# Altium PCB PCB_mcbHallV3.PcbDoc
Units mm, origin at the board's own origin, x right, y up, seen from the top; angles counter-clockwise.
Board outline 185.5 x 134.7 mm, 2 copper layers (Top Layer, Bottom Layer), stack 1.58 mm thick; 217 components, 119 nets, 571 pads, 41 vias.
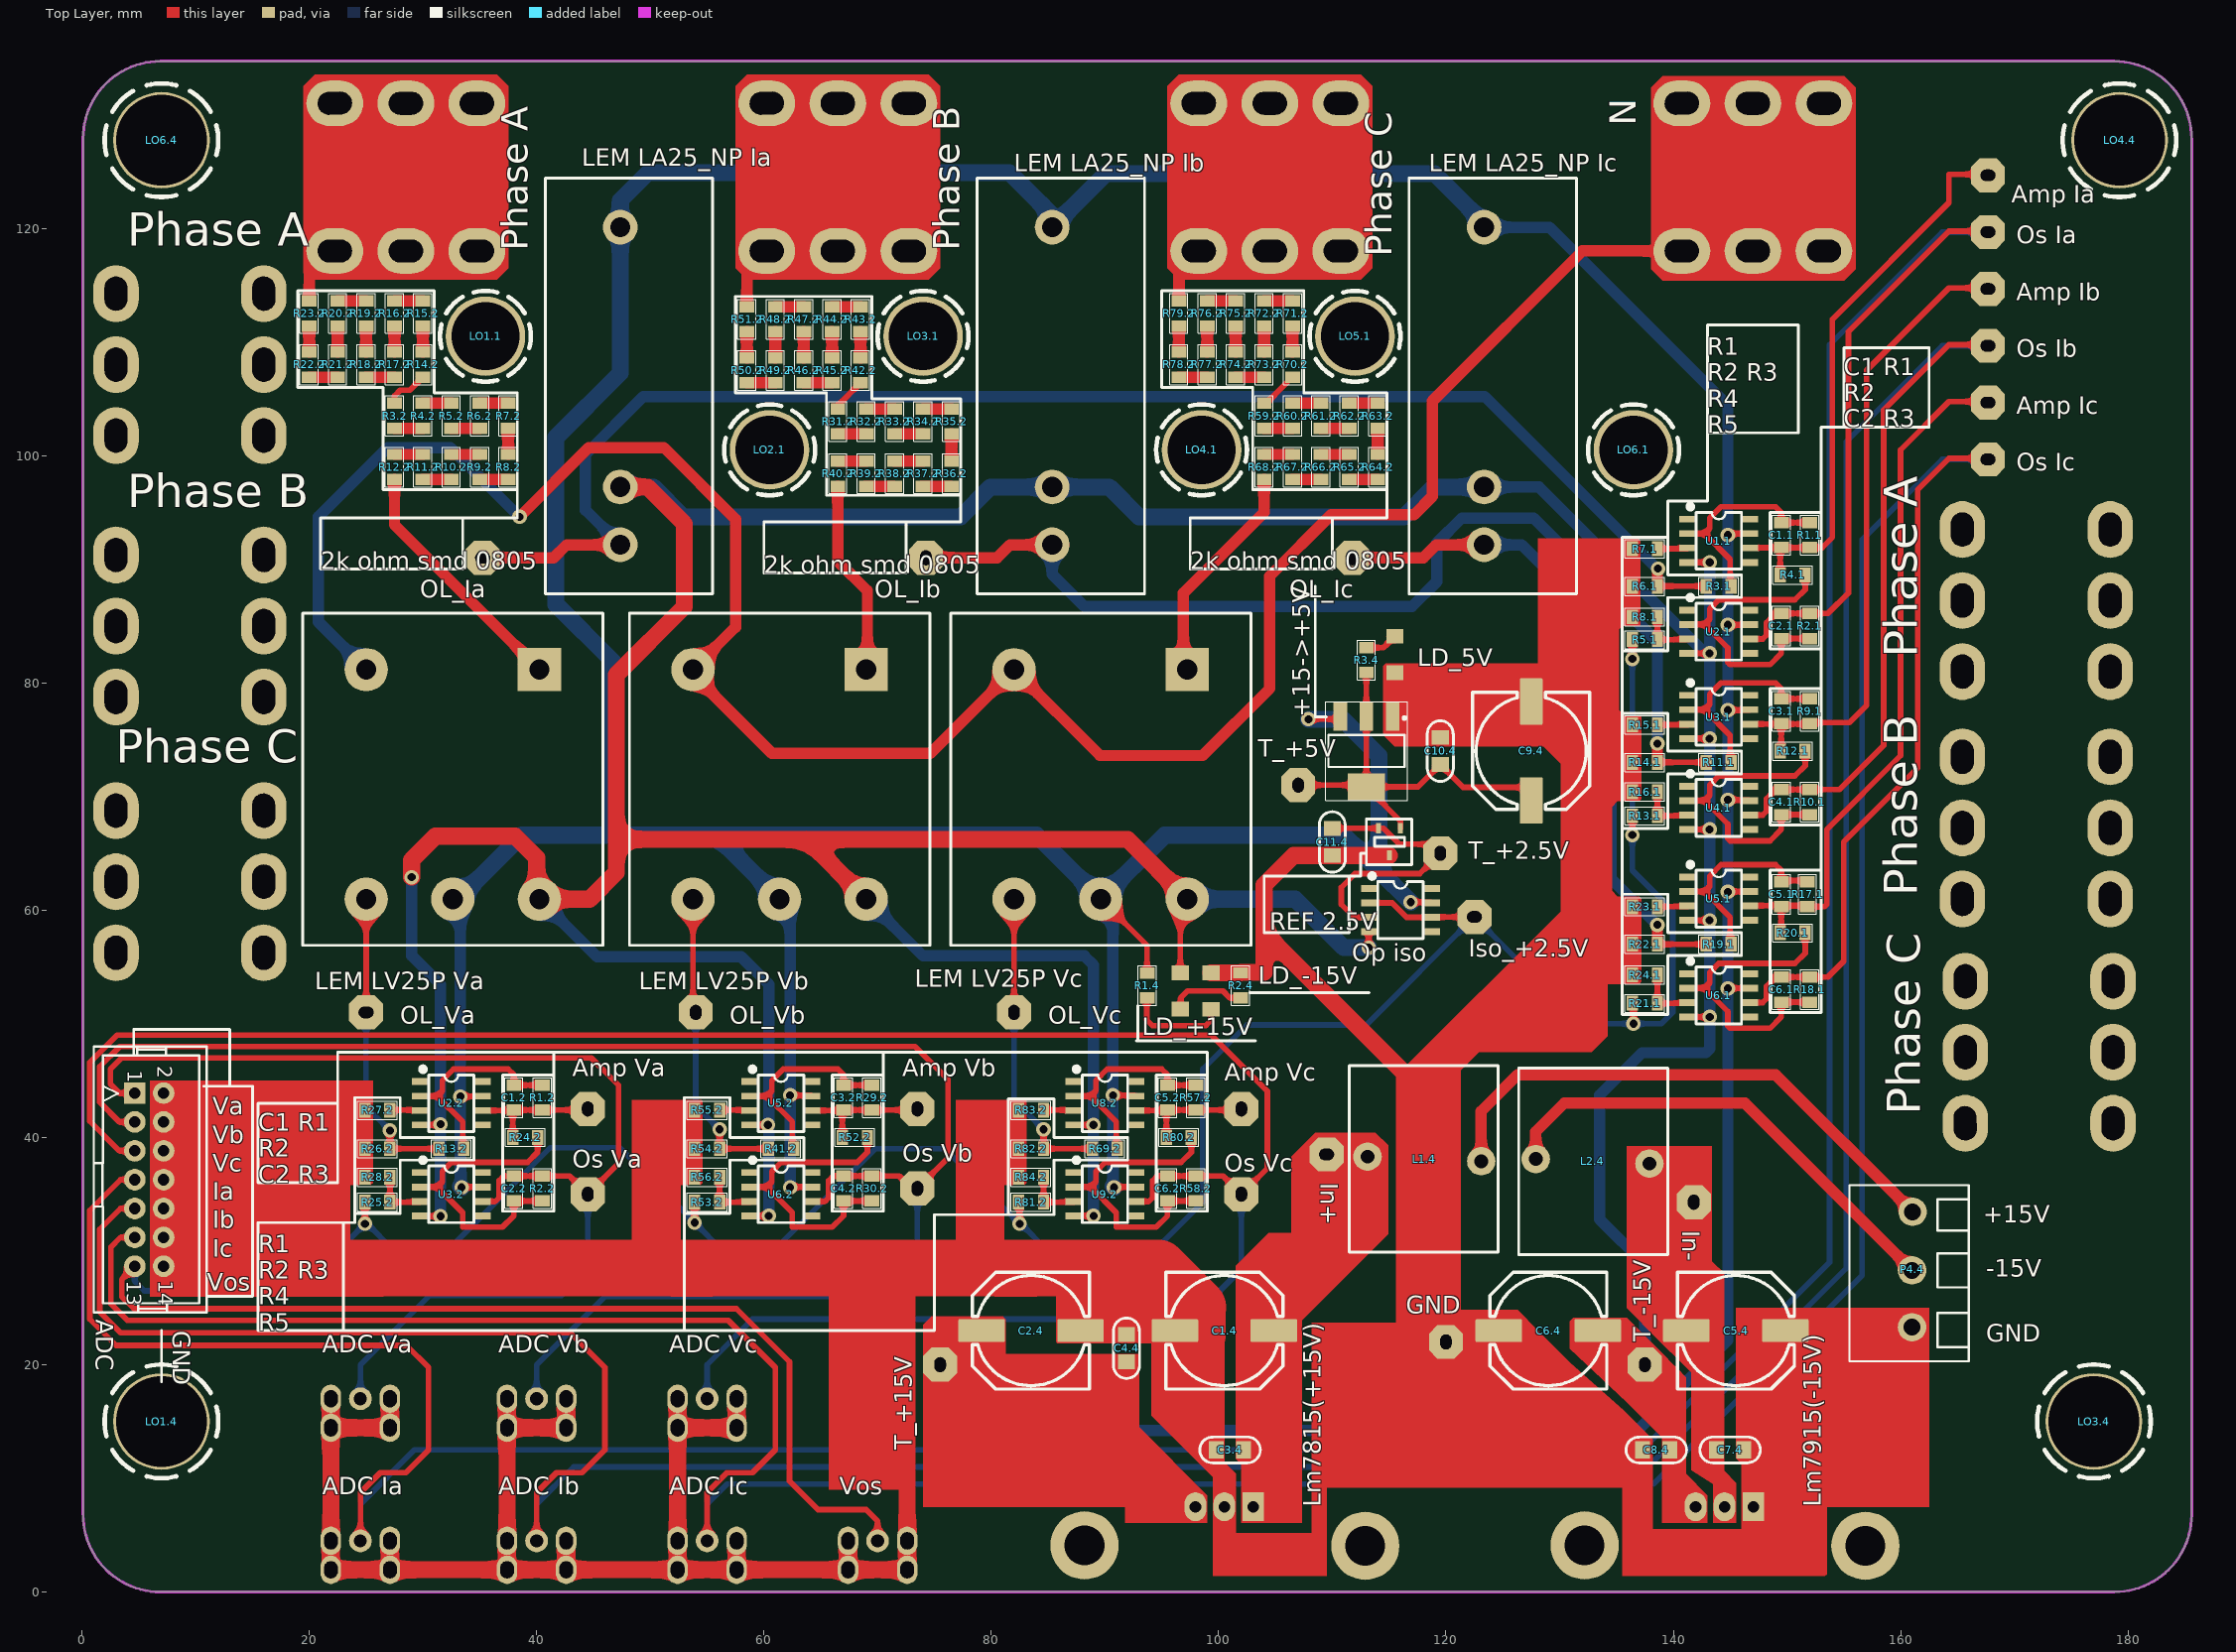
[diagram p0: Top Layer view]
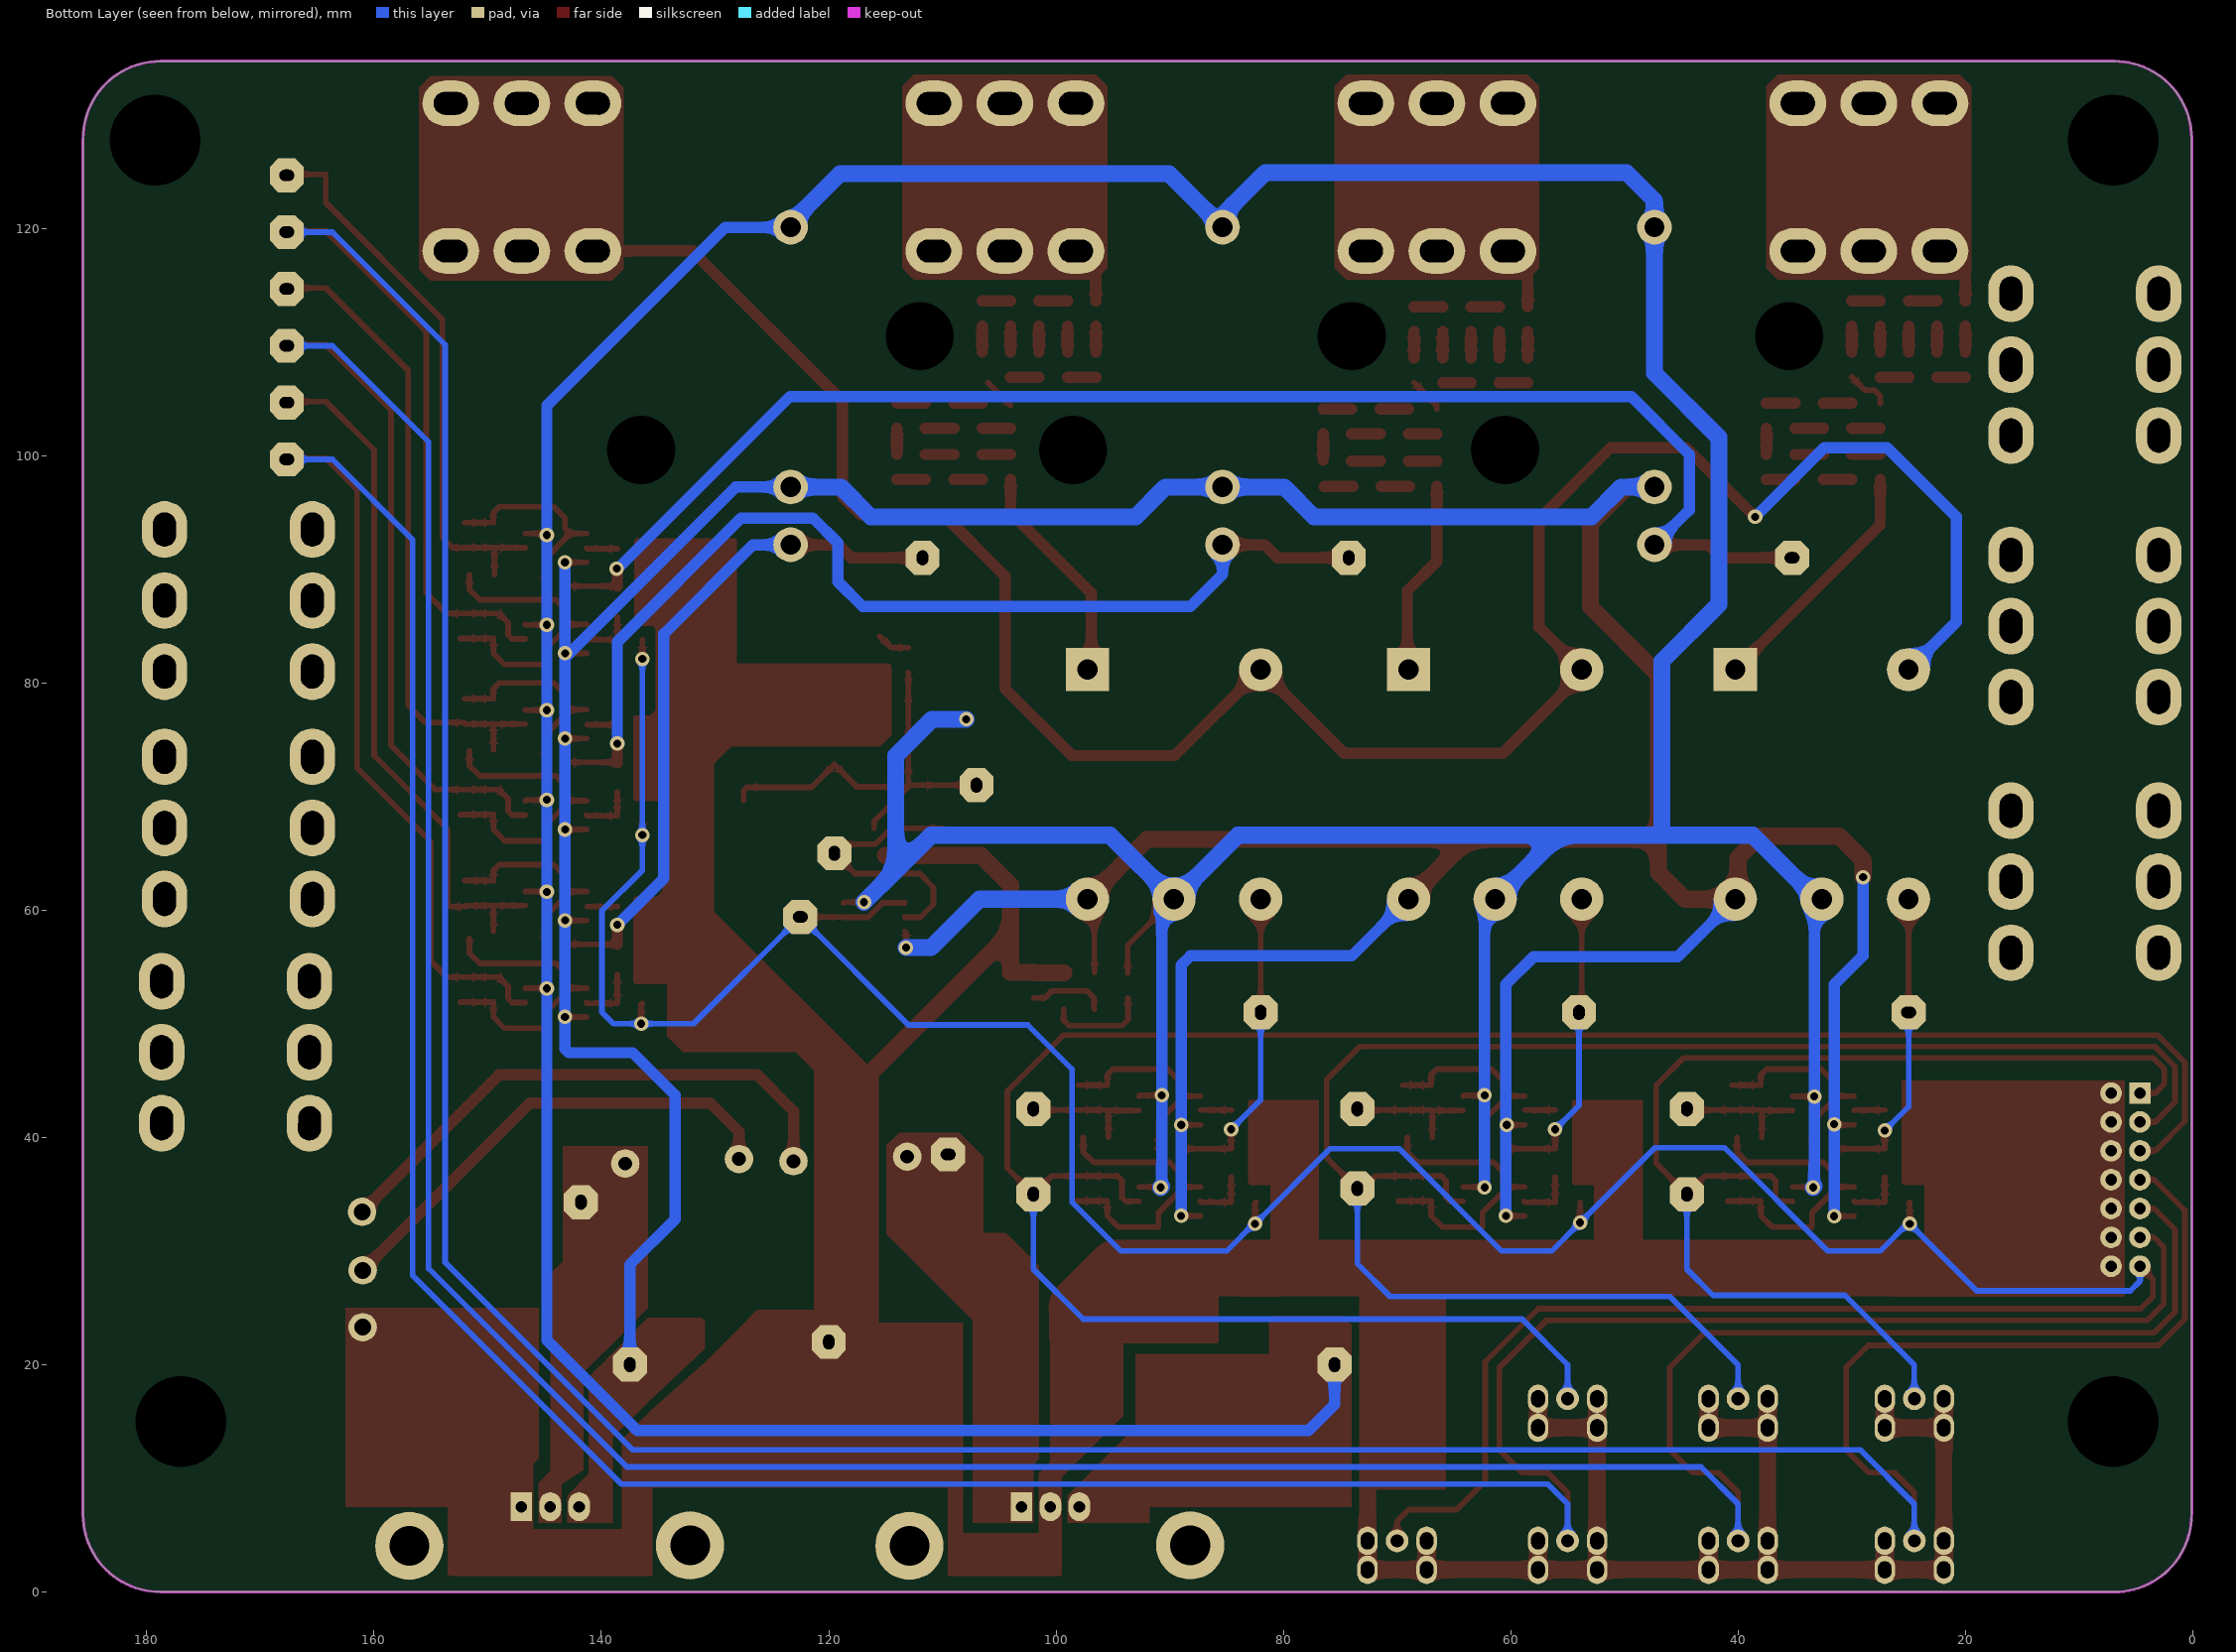
[diagram p1: Bottom Layer view, seen from below]
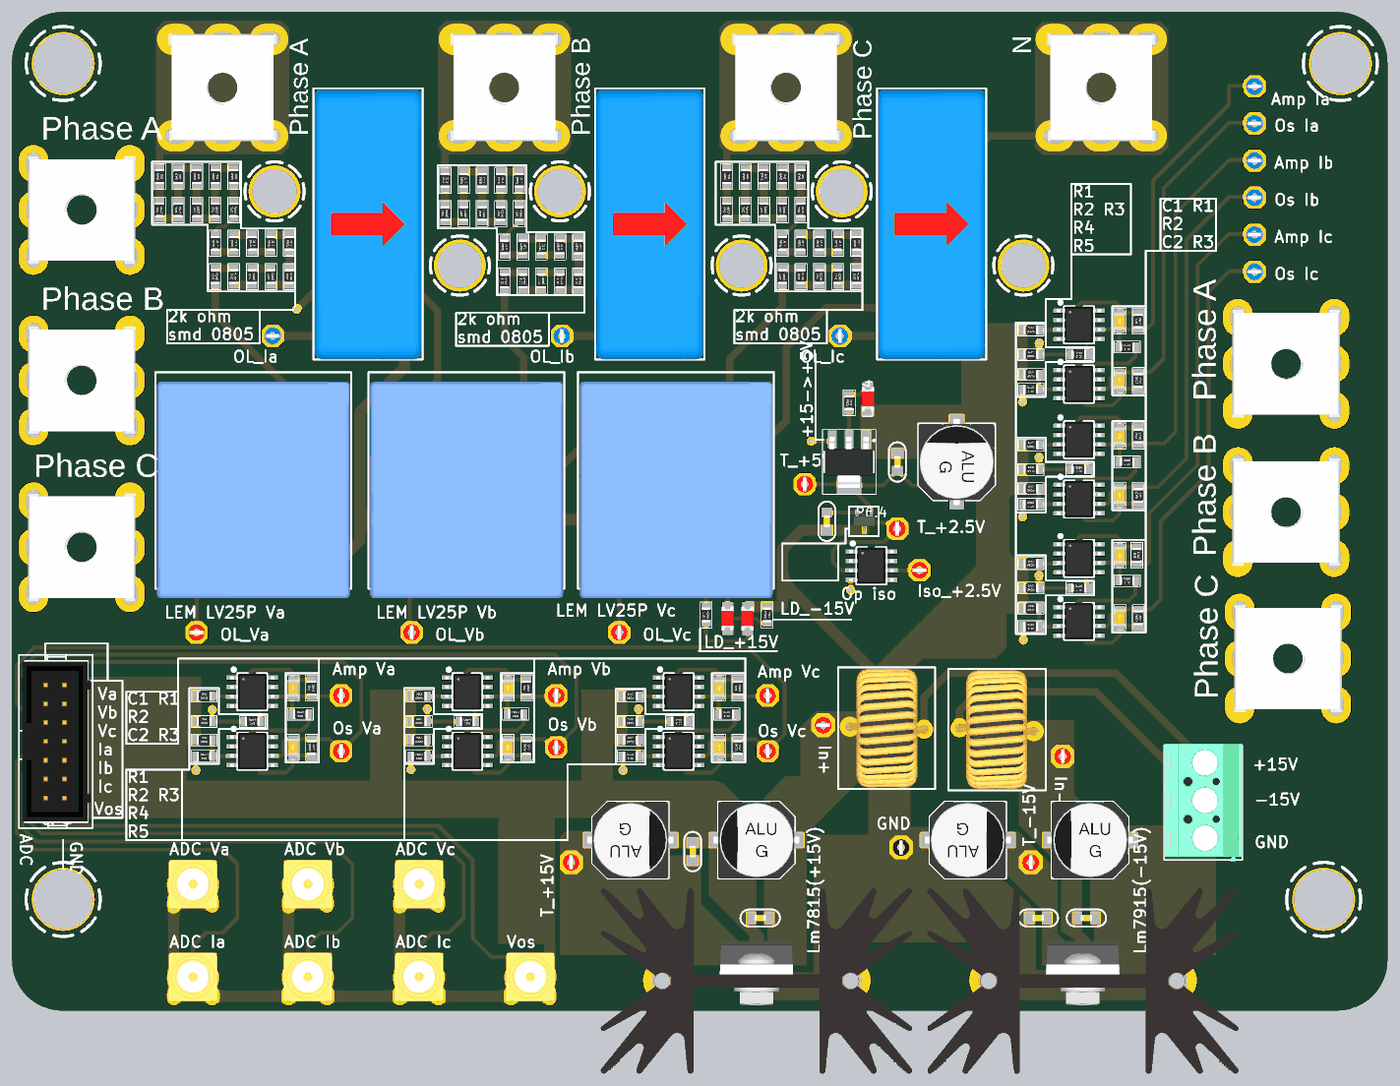
[diagram p2: 3D render of the assembled board from above, using the file's embedded part models]

## Layer stack, top to bottom
Top Solder: solder mask 0.01, Solder Resist, Dk 3.5
Top Layer: signal copper 0.035
Dielectric 1: dielectric 1.51, FR-4, Dk 4.8
Bottom Layer: signal copper 0.035
Bottom Solder: solder mask 0.01, Solder Resist, Dk 3.5

## Board outline
0.1,6.796 0.1,127.904 cw(c6.896,127.904) 6.896,134.7 178.8,134.7 178.8,134.696 cw(c178.8,127.9) 185.596,127.9 185.6,127.9 185.6,6.8 cw(c178.804,6.8) 178.804,0.004 178.804,0 6.9,0 cw(c6.9,6.796)

## Design rules (kind name [scope] priority, off if disabled: settings)
Clearance [All] p1: gap=0.2
PolygonConnect [All] p1: connectstyle=Relief reliefconductorwidth=0.254 reliefentries=4 polygonreliefangle="90 Angle" airgapwidth=0.254
RoutingVias [All] p1: holewidth=0.711 width=1.27 viastyle="Through Hole" minholewidth=0.711 minwidth=1.27 maxholewidth=0.711 maxwidth=1.27
SolderMaskExpansion [All] p1: expansion=0.102
Width [All] p1: maxlimit=5 minlimit=0.2 preferedwidth=0.5
30 further rules are at their usual default settings.

## Classes and differential pairs
component class SCH_power: +15->+5V C1.4 C2.4 C3.4 C4.4 C5.4 C6.4 C7.4 C8.4 C9.4 C10.4 C11.4 GND In+ In- Iso_+2.5V L1.4 L2.4 LD_5V LD_+15v LD_-15V Lm7815(+15V) Lm7915(-15V) LO1.4 LO3.4 LO4.4 LO6.4 "Op iso" P4.4 R1.4 R2.4 R3.4 "REF 2.5V" T_+2.5V T_+5V T_+15V T_-15V "VAC 220V"
component class SCH_Output: ADC "ADC Ia" "ADC IB" "ADC Ib" "ADC Ic" "ADC out" "ADC Va" "ADC Vb" "ADC Vc" Vos
component class SCH_HallVoltageLV25np: "Amp Va" "Amp Vb" "Amp Vc" C1.2 C2.2 C3.2 C4.2 C5.2 C6.2 "LEM LV25P Va" "LEM LV25P Vb" "LEM LV25P Vc" N OL_Va OL_Vb OL_Vc "Os VA" "Os Va" "Os Vb" "Os Vc" "PHASE A" "Phase B" "Phase C" R1.2 R2.2 R3.2 R4.2 R5.2 R6.2 R7.2 R8.2 R9.2 R10.2 R11.2 R12.2 R13.2 R14.2 R15.2 R16.2 R17.2 R18.2 R19.2 R20.2 R21.2 R22.2 R23.2 R24.2 R25.2 R26.2 R27.2 R28.2 R29.2 R30.2 R31.2 R32.2 R33.2 R34.2 R35.2 R36.2 R37.2 R38.2 R39.2 R40.2 R41.2 R42.2 R43.2 R44.2 R45.2 R46.2 R47.2 R48.2 R49.2 R50.2 R51.2 R52.2 R53.2 R54.2 R55.2 R56.2 R57.2 R58.2 R59.2 R60.2 R61.2 R62.2 R63.2 R64.2 R65.2 R66.2 R67.2 R68.2 R69.2 R70.2 R71.2 R72.2 R73.2 R74.2 R75.2 R76.2 R77.2 R78.2 R79.2 R80.2 R81.2 R82.2 R83.2 R84.2 U1.2 U2.2 U3.2 U4.2 U5.2 U6.2 U7.2 U8.2 U9.2
component class SCH_HallcurrentLA25p: "Amp Ia" "Amp IA" "Amp ib" "Amp Ib" "Amp Ic" C1.1 C2.1 C3.1 C4.1 C5.1 C6.1 "LEM LA25_NP Ia" "LEM LA25_NP Ib" "LEM LA25_NP Ic" "Line b" LO1.1 LO2.1 LO3.1 LO4.1 LO5.1 LO6.1 OL_Ia OL_Ib OL_Ic "Os Ia" "Os Ib" "Os Ic" "Os VA" P4.1 P13.1 "Phase A" "Phase B" "Phase C" R1.1 R2.1 R3.1 R4.1 R5.1 R6.1 R7.1 R8.1 R9.1 R10.1 R11.1 R12.1 R13.1 R14.1 R15.1 R16.1 R17.1 R18.1 R19.1 R20.1 R21.1 R22.1 R23.1 R24.1 U1.1 U2.1 U3.1 U4.1 U5.1 U6.1 U7.1 U8.1 U9.1

## Components (designator, comment, footprint, x,y, rotation, side; value= is the part's Value field where it differs from the comment)
+15->+5V "LM1117MP-3.3TR" AMS1117 113,74 r270 top (schematic designator U4.4)
ADC "header_2x7" hd_2x7 5.75,36 r270 top (schematic designator P2.3)
"ADC Ia" "SMA" SMA 24.5,4.5 r0 top (schematic designator P5.3)
"ADC Ib" "SMA" SMA 40,4.5 r0 top (schematic designator P6.3)
"ADC Ic" "SMA" SMA 55,4.5 r0 top (schematic designator P7.3)
"ADC Va" "SMA" SMA 24.5,17 r0 top (schematic designator P1.3)
"ADC Vb" "SMA" SMA 40,17 r0 top (schematic designator P3.3)
"ADC Vc" "SMA" SMA 55,17 r0 top (schematic designator P4.3)
"Amp Ia" "testpin" Tp_blue_1p 167.68,124.66 r0 top (schematic designator P1.1)
"Amp Ib" "testpin" Tp_blue_1p 167.68,114.66 r0 top (schematic designator P6.1)
"Amp Ic" "testpin" Tp_blue_1p 167.68,104.66 r180 top (schematic designator P11.1)
"Amp Va" "testpin" tp_red_1p 44.5,42.5 r90 top (schematic designator P2.2)
"Amp Vb" "testpin" tp_red_1p 73.5,42.5 r90 top (schematic designator P6.2)
"Amp Vc" "testpin" tp_red_1p 102,42.5 r90 top (schematic designator P10.2)
C1.1 "100uF" CAPC0805 149.5,93 r270 top
C1.2 "Capacitor" CAPC0805 38,43.5 r270 top
C1.4 "Capacitor Polar" CAP_SMD_L=10.5 100.5,23 r180 top
C2.1 "100uF" CAPC0805 149.5,85 r90 top
C2.2 "Capacitor" CAPC0805 38,35.5 r90 top
C2.4 "Capacitor Polar" CAP_SMD_L=10.5 83.5,23 r0 top
C3.1 "100uF" CAPC0805 149.5,77.5 r270 top
C3.2 "Capacitor" CAPC0805 67,43.5 r270 top
C3.4 "100nF" C-NP-0805 101,12.5 r180 top
C4.1 "100uF" CAPC0805 149.5,69.5 r90 top
C4.2 "Capacitor" CAPC0805 67,35.5 r90 top
C4.4 "100nF" C-NP-0805 91.9,21.45 r90 top
C5.1 "100uF" CAPC0805 149.5,61.4 r270 top
C5.2 "Capacitor" CAPC0805 95.5,43.5 r270 top
C5.4 "Capacitor Polar" CAP_SMD_L=10.5 145.5,23 r180 top
C6.1 "100uF" CAPC0805 149.5,53 r90 top
C6.2 "Capacitor" CAPC0805 95.5,35.5 r90 top
C6.4 "Capacitor Polar" CAP_SMD_L=10.5 129,23 r0 top
C7.4 "100nF" C-NP-0805 145,12.5 r0 top
C8.4 "100nF" C-NP-0805 138.5,12.5 r180 top
C9.4 "Capacitor Polar" CAP_SMD_L=10.5 127.5,74 r90 top
C10.4 "100nF" C-NP-0805 119.5,74 r90 top
C11.4 "100nF" C-NP-0805 110,66 r90 top
GND "testpin" Tp_black_1p 120,22 r90 top (schematic designator P3.4)
In+ "testpin" tp_red_1p 109.5,38.5 r0 top (schematic designator P1.4)
In- "testpin" tp_red_1p 141.8,34.3 r90 top (schematic designator P5.4)
Iso_+2.5V "testpin" tp_red_1p 122.5,59.4 r180 top (schematic designator P10.4)
L1.4 "Inductor" induction_coil 118,38 r180 top
L2.4 "Inductor" induction_coil 133,38 r0 top
LD_5V "LED-RED" "SMD 1206 RED" 115.5,82.5 r270 top (schematic designator LD1.4)
LD_+15V "LED-RED" "SMD 1206 RED" 96.62,52.89 r90 top (schematic designator LD2.4)
LD_-15V "LED-RED" "SMD 1206 RED" 99.33,52.87 r90 top (schematic designator LD3.4)
"LEM LA25_NP Ia" "LEM LA25_P" "LEM LA25_P" 48.5,106.5 r90 top (schematic designator U7.1)
"LEM LA25_NP Ib" "LEM LA25_P" "LEM LA25_P" 86.5,106.5 r90 top (schematic designator U8.1)
"LEM LA25_NP Ic" "LEM LA25_P" "LEM LA25_P" 124.5,106.5 r90 top (schematic designator U9.1)
"LEM LV25P Va" "LEM Lv25_P" "LEN LV25_P" 32.5,71 r270 top (schematic designator U1.2)
"LEM LV25P Vb" "LEM Lv25_P" "LEN LV25_P" 61.25,71 r270 top (schematic designator U4.2)
"LEM LV25P Vc" "LEM Lv25_P" "LEN LV25_P" 89.5,71 r270 top (schematic designator U7.2)
Lm7815(+15V) "LM78xx" "TO 220 THermal 25x25" 100.5,7.5 r180 top (schematic designator U1.4)
Lm7915(-15V) "79LXX" "TO 220 THermal 25x25" 144.5,7.5 r180 top (schematic designator U3.4)
LO1.1 "LO KHOAN" "Lo Khoang - 6mm" 35.5,110.5 r0 top
LO1.4 "LO KHOAN" "SP PCB" 7,15 r0 top
LO2.1 "LO KHOAN" "Lo Khoang - 6mm" 60.5,100.5 r0 top
LO3.1 "LO KHOAN" "Lo Khoang - 6mm" 74,110.5 r0 top
LO3.4 "LO KHOAN" "SP PCB" 177,15 r0 top
LO4.1 "LO KHOAN" "Lo Khoang - 6mm" 98.5,100.5 r0 top
LO4.4 "LO KHOAN" "SP PCB" 179.25,127.75 r0 top
LO5.1 "LO KHOAN" "Lo Khoang - 6mm" 112,110.5 r0 top
LO6.1 "LO KHOAN" "Lo Khoang - 6mm" 136.5,100.5 r0 top
LO6.4 "LO KHOAN" "SP PCB" 7,127.75 r0 top
N "Terminal on PCB" "Terminal M5" 147,124.5 r0 top (schematic designator P13.2)
OL_Ia "testpin" Tp_blue_1p 35.25,91 r0 top (schematic designator P5.1)
OL_Ib "testpin" Tp_blue_1p 74.25,91 r90 top (schematic designator P10.1)
OL_Ic "testpin" Tp_blue_1p 111.75,91 r90 top (schematic designator P14.1)
OL_Va "testpin" tp_red_1p 25,51 r0 top (schematic designator P1.2)
OL_Vb "testpin" tp_red_1p 54,51 r90 top (schematic designator P5.2)
OL_Vc "testpin" tp_red_1p 82,51 r90 top (schematic designator P9.2)
"Op iso" "opamp_741" SOIC-8_dan 116,60 r0 top (schematic designator U5.4)
"Os Ia" "testpin" Tp_blue_1p 167.68,119.66 r0 top (schematic designator P2.1)
"Os Ib" "testpin" Tp_blue_1p 167.68,109.66 r0 top (schematic designator P7.1)
"Os Ic" "testpin" Tp_blue_1p 167.68,99.66 r180 top (schematic designator P12.1)
"Os Va" "testpin" tp_red_1p 44.5,35 r90 top (schematic designator P3.2)
"Os Vb" "testpin" tp_red_1p 73.5,35.5 r90 top (schematic designator P7.2)
"Os Vc" "testpin" tp_red_1p 102,35 r90 top (schematic designator P11.2)
P4.4 "domino_3p" domino_3p 161,28.3 r90 top
"Phase A" "Terminal on PCB" "Terminal M5" 28.5,124.5 r0 top (schematic designator P4.2)
"Phase A" "Terminal on PCB" "Terminal M5" 171.93,87.24 r90 top (schematic designator P4.1)
"Phase A" "Terminal on PCB" "Terminal M5" 9.5,108 r270 top (schematic designator P3.1)
"Phase B" "Terminal on PCB" "Terminal M5" 171.93,67.24 r90 top (schematic designator P15.1)
"Phase B" "Terminal on PCB" "Terminal M5" 66.5,124.5 r0 top (schematic designator P8.2)
"Phase B" "Terminal on PCB" "Terminal M5" 9.5,85 r270 top (schematic designator P8.1)
"Phase C" "Terminal on PCB" "Terminal M5" 9.5,62.5 r270 top (schematic designator P13.1)
"Phase C" "Terminal on PCB" "Terminal M5" 104.5,124.5 r0 top (schematic designator P12.2)
"Phase C" "Terminal on PCB" "Terminal M5" 172.18,47.49 r90 top (schematic designator P9.1)
R1.1 "Resistor" RESC0805 152,93 r90 top
R1.2 "Resistor" RESC0805 40.5,43.5 r90 top
R1.4 "Resistor" RESC0805 93.71,53.36 r90 top
R2.1 "Resistor" RESC0805 152,85 r270 top
R2.2 "Resistor" RESC0805 40.5,35.5 r270 top
R2.4 "Resistor" RESC0805 101.94,53.38 r270 top
R3.1 "Resistor" RESC0805 144,88.5 r180 top
R3.2 "Resistor" RESC0805 27.5,103.5 r270 top
R3.4 "Resistor" RESC0805 113,82 r270 top
R4.1 "Resistor" RESC0805 150.5,89.5 r180 top
R4.2 "Resistor" RESC0805 30,103.5 r270 top
R5.1 "Resistor" RESC0805 137.5,83.8 r180 top
R5.2 "Resistor" RESC0805 32.5,103.5 r270 top
R6.1 "Resistor" RESC0805 137.5,88.5 r0 top
R6.2 "Resistor" RESC0805 35,103.5 r270 top
R7.1 "Resistor" RESC0805 137.5,91.8 r0 top
R7.2 "Resistor" RESC0805 37.5,103.5 r270 top
R8.1 "Resistor" RESC0805 137.5,85.8 r0 top
R8.2 "Resistor" RESC0805 37.5,99 r90 top
R9.1 "Resistor" RESC0805 152,77.5 r90 top
R9.2 "Resistor" RESC0805 35,99 r90 top
R10.1 "Resistor" RESC0805 152,69.5 r270 top
R10.2 "Resistor" RESC0805 32.5,99 r90 top
R11.1 "Resistor" RESC0805 144,73 r180 top
R11.2 "Resistor" RESC0805 30,99 r90 top
R12.1 "Resistor" RESC0805 150.5,74 r180 top
R12.2 "Resistor" RESC0805 27.5,99 r90 top
R13.1 "Resistor" RESC0805 137.5,68.3 r180 top
R13.2 "Resistor" RESC0805 32.5,39 r180 top
R14.1 "Resistor" RESC0805 137.5,73 r0 top
R14.2 "Resistor" RESC0805 30,108 r90 top
R15.1 "Resistor" RESC0805 137.5,76.3 r0 top
R15.2 "Resistor" RESC0805 30,112.5 r270 top
R16.1 "Resistor" RESC0805 137.5,70.4 r0 top
R16.2 "Resistor" RESC0805 27.5,112.5 r270 top
R17.1 "Resistor" RESC0805 151.8,61.4 r90 top
R17.2 "Resistor" RESC0805 27.5,108 r90 top
R18.1 "Resistor" RESC0805 152,53 r270 top
R18.2 "Resistor" RESC0805 25,108 r90 top
R19.1 "Resistor" RESC0805 144,57 r180 top
R19.2 "Resistor" RESC0805 25,112.5 r270 top
R20.1 "Resistor" RESC0805 150.5,58 r180 top
R20.2 "Resistor" RESC0805 22.5,112.5 r270 top
R21.1 "Resistor" RESC0805 137.5,51.8 r180 top
R21.2 "Resistor" RESC0805 22.5,108 r90 top
R22.1 "Resistor" RESC0805 137.5,57 r0 top
R22.2 "Resistor" RESC0805 20,108 r90 top
R23.1 "Resistor" RESC0805 137.5,60.3 r0 top
R23.2 "Resistor" RESC0805 20,112.5 r270 top
R24.1 "Resistor" RESC0805 137.5,54.3 r0 top
R24.2 "Resistor" RESC0805 39,40 r180 top
R25.2 "Resistor" RESC0805 26,34.3 r180 top
R26.2 "Resistor" RESC0805 26,39 r0 top
R27.2 "Resistor" RESC0805 26,42.4 r0 top
R28.2 "Resistor" RESC0805 26,36.5 r0 top
R29.2 "Resistor" RESC0805 69.5,43.5 r90 top
R30.2 "Resistor" RESC0805 69.5,35.5 r270 top
R31.2 "Resistor" RESC0805 66.5,103 r270 top
R32.2 "Resistor" RESC0805 69,103 r270 top
R33.2 "Resistor" RESC0805 71.5,103 r270 top
R34.2 "Resistor" RESC0805 74,103 r270 top
R35.2 "Resistor" RESC0805 76.5,103 r270 top
R36.2 "Resistor" RESC0805 76.5,98.4 r90 top
R37.2 "Resistor" RESC0805 74,98.4 r90 top
R38.2 "Resistor" RESC0805 71.5,98.4 r90 top
R39.2 "Resistor" RESC0805 69,98.4 r90 top
R40.2 "Resistor" RESC0805 66.5,98.4 r90 top
R41.2 "Resistor" RESC0805 61.5,39 r180 top
R42.2 "Resistor" RESC0805 68.5,107.5 r90 top
R43.2 "Resistor" RESC0805 68.5,112 r270 top
R44.2 "Resistor" RESC0805 66,112 r270 top
R45.2 "Resistor" RESC0805 66,107.5 r90 top
R46.2 "Resistor" RESC0805 63.5,107.5 r90 top
R47.2 "Resistor" RESC0805 63.5,112 r270 top
R48.2 "Resistor" RESC0805 61,112 r270 top
R49.2 "Resistor" RESC0805 61,107.5 r90 top
R50.2 "Resistor" RESC0805 58.5,107.5 r90 top
R51.2 "Resistor" RESC0805 58.5,112 r270 top
R52.2 "Resistor" RESC0805 68,40 r180 top
R53.2 "Resistor" RESC0805 55,34.3 r180 top
R54.2 "Resistor" RESC0805 55,39 r0 top
R55.2 "Resistor" RESC0805 55,42.4 r0 top
R56.2 "Resistor" RESC0805 55,36.5 r0 top
R57.2 "Resistor" RESC0805 98,43.5 r90 top
R58.2 "Resistor" RESC0805 98,35.5 r270 top
R59.2 "Resistor" RESC0805 104,103.5 r270 top
R60.2 "Resistor" RESC0805 106.5,103.5 r270 top
R61.2 "Resistor" RESC0805 109,103.5 r270 top
R62.2 "Resistor" RESC0805 111.5,103.5 r270 top
R63.2 "Resistor" RESC0805 114,103.5 r270 top
R64.2 "Resistor" RESC0805 114,99 r90 top
R65.2 "Resistor" RESC0805 111.5,99 r90 top
R66.2 "Resistor" RESC0805 109,99 r90 top
R67.2 "Resistor" RESC0805 106.5,99 r90 top
R68.2 "Resistor" RESC0805 104,99 r90 top
R69.2 "Resistor" RESC0805 90,39 r180 top
R70.2 "Resistor" RESC0805 106.5,108 r90 top
R71.2 "Resistor" RESC0805 106.5,112.5 r270 top
R72.2 "Resistor" RESC0805 104,112.5 r270 top
R73.2 "Resistor" RESC0805 104,108 r90 top
R74.2 "Resistor" RESC0805 101.5,108 r90 top
R75.2 "Resistor" RESC0805 101.5,112.5 r270 top
R76.2 "Resistor" RESC0805 99,112.5 r270 top
R77.2 "Resistor" RESC0805 99,108 r90 top
R78.2 "Resistor" RESC0805 96.5,108 r90 top
R79.2 "Resistor" RESC0805 96.5,112.5 r270 top
R80.2 "Resistor" RESC0805 96.5,40 r180 top
R81.2 "Resistor" RESC0805 83.5,34.3 r180 top
R82.2 "Resistor" RESC0805 83.5,39 r0 top
R83.2 "Resistor" RESC0805 83.5,42.4 r0 top
R84.2 "Resistor" RESC0805 83.5,36.5 r0 top
"REF 2.5V" "4.096V REF" SOT233 116,67.2 r180 top (schematic designator P6.4)
T_+2.5V "testpin" tp_red_1p 119.5,65 r90 top (schematic designator P9.4)
T_+5V "testpin" tp_red_1p 107,71 r90 top (schematic designator P8.4)
T_+15V "testpin" tp_red_1p 75.5,20 r270 top (schematic designator P2.4)
T_-15V "testpin" tp_red_1p 137.5,20 r90 top (schematic designator P7.4)
U1.1 "opamp_741" SOIC-8_dan 144,92.5 r0 top
U2.1 "opamp_741" SOIC-8_dan 144,84.5 r0 top
U2.2 "opamp_741" SOIC-8_dan 32.5,43 r0 top
U3.1 "opamp_741" SOIC-8_dan 144,77 r0 top
U3.2 "opamp_741" SOIC-8_dan 32.5,35 r0 top
U4.1 "opamp_741" SOIC-8_dan 144,69 r0 top
U5.1 "opamp_741" SOIC-8_dan 144,61 r0 top
U5.2 "opamp_741" SOIC-8_dan 61.5,43 r0 top
U6.1 "opamp_741" SOIC-8_dan 144,52.5 r0 top
U6.2 "opamp_741" SOIC-8_dan 61.5,35 r0 top
U8.2 "opamp_741" SOIC-8_dan 90,43 r0 top
U9.2 "opamp_741" SOIC-8_dan 90,35 r0 top
Vos "SMA" SMA 70,4.5 r0 top (schematic designator P8.3)
